# Altium PCB BEAGLEPLAYV020_220915.brd.PcbDoc (part 8 of 12) (continued)
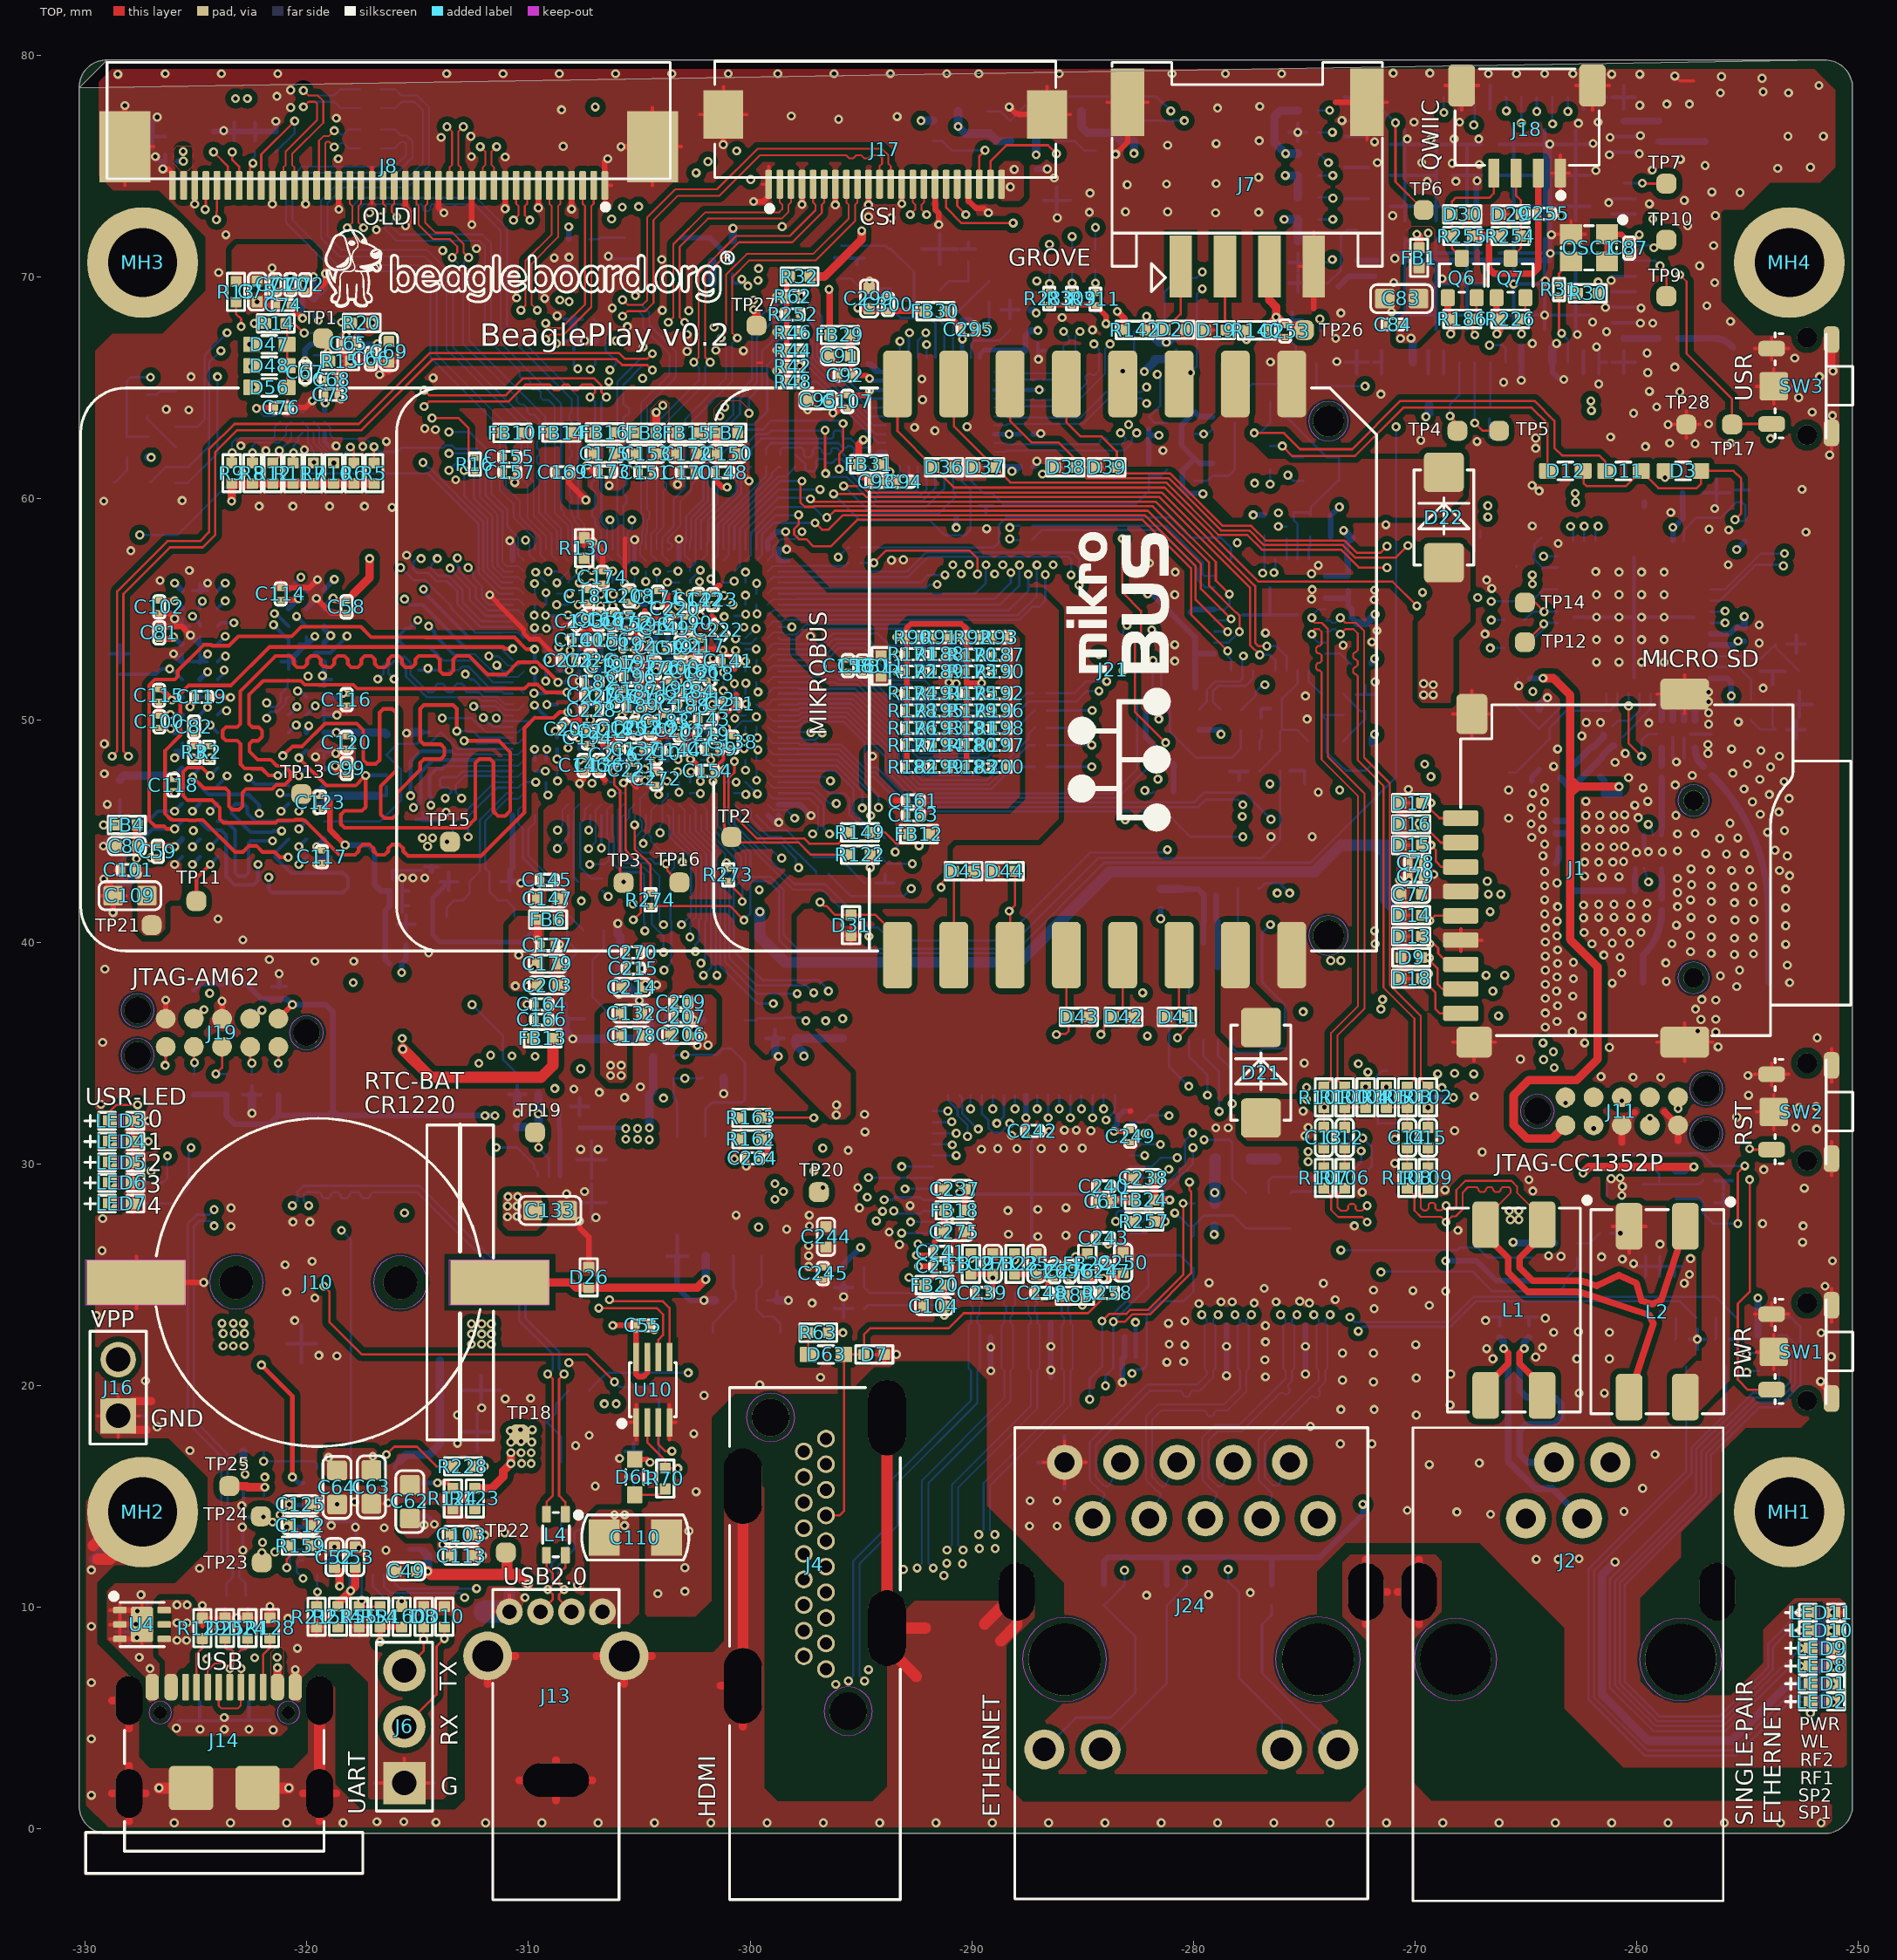
[diagram p0: TOP view]
## Nets (pads, with @x,y where several pads share a name; then routed paths per layer and width w, separated by ;. In a path a pad name is that pad's centre, name@x,y a point inside that pad or via, vN(x,y) a via of type N, cw(c..) or ccw(c..) an arc to the next point about the centre after c; other vN are vias at no path point) (continued)
N15957145: C27.2 C28.1 L8.1 L9.2 | length 2
  BOTTOM w0.305: L9.2@-263.665,44.907 C27.2@-262.968,44.907 C28.1@-262.968,44.221 L8.1@-262.968,43.561
N15957153: C25.2 C29.1 L8.2 | length 3
  BOTTOM w0.305: L8.2@-262.968,43.002 C29.1@-262.968,42.316 C25.2@-260.644,42.316
N15957165: L10.1 U9.6 | length 2.3
  BOTTOM w0.102: L10.1@-261.116,49.733 -260.861,49.987 -260.35,49.987 -259.877,50.46 U9.6@-259.877,51.205
N15957287: C32.1 U9.23 | length 2.3
  BOTTOM w0.102: C32.1@-264.314,58.235 -264.617,57.932 -264.617,57.252 -264.271,56.905 U9.23@-263.577,56.905
N15957295: C36.1 R118.2 U9.46 X4.3 | length 4.9
  BOTTOM w0.102: U9.46@-256.677,52.905 -254.98,52.905 R118.2@-254.849,52.775 -254.418,52.775 C36.1@-253.742,53.451 -253.742,53.292 X4.3@-252.679,52.229
N15957337: R118.1 R119.1 U9.47 | length 3
  BOTTOM w0.102: U9.47@-256.677,52.405 -255.405,52.405 R118.1@-254.849,51.85 R119.1@-254.849,50.927
N15957501: C30.1 L7.1 L10.2 L11.1 | length 2.2
  BOTTOM w0.305: L11.1@-263.048,47.801 C30.1@-262.52,48.328 -262.043,48.805 L7.1@-261.956,48.805 -261.511,49.25 L10.2@-261.511,49.338
N15957559: C28.2 L12.2 | length 0.7
  BOTTOM w0.305: L12.2@-263.665,43.561 ccw(c-263.998,43.894) -263.527,43.894 C28.2@-263.527,44.221
N15957739: C35.1 R119.2 X4.1 | length 2.5
  BOTTOM w0.102: R119.2@-254.849,50.002 -254.438,49.59 C35.1@-253.742,49.59 -253.879,49.727 X4.1@-253.879,50.729
N15961979: R120.2 TP12.1 U9.18 | length 3.3
  TOP w0.102: TP12.1@-265.054,53.531 -265.025,53.531 v5(-264.2,54.356) v5@-264.16,54.356
  BOTTOM w0.102: R120.2@-265.075,53.271 -264.2,54.146 v5(-264.2,54.356) -264.058,54.356 -264.009,54.405 U9.18@-263.577,54.405
N15962009: R121.2 TP14.1 U9.19 | length 2.7
  TOP w0.102: TP14.1@-265.054,55.323 -264.603,55.323 v5(-264.185,54.905)
  BOTTOM w0.102: R121.2@-265.076,54.53 -264.7,54.905 v5(-264.185,54.905) U9.19@-263.577,54.905
N15967993: B1.8 U9.2 | length 1.2
  BOTTOM w0.305: B1.8@-257.877,50.011 U9.2@-257.877,51.205
N15968005: B1.9 U9.1 | length 1.2
  BOTTOM w0.305: B1.9@-257.377,50.011 U9.1@-257.377,51.205
N15968666: B1.1 C45.1 | length 0.9
  BOTTOM w0.305: B1.1@-257.377,48.761 ccw(c-256.262,48.761) -257.05,47.972 C45.1@-257.005,47.927
N15969255: C45.2 D27.2 J12.1 | length 10
  BOTTOM w0.305: C45.2@-256.61,47.532 cw(c-262.774,41.367) -254.056,41.367 D27.2@-254.056,39.395 J12.1@-254.056,38.202
N15997187: L14.1 U17.2 U17.3
N15997222: R123.1 R124.1 U17.1 | length 3.4
  TOP w0.203: v5(-314.104,15.613) -313.652,15.613 R124.1@-313.411,15.372 -313.345,15.372 R123.1@-312.42,14.447
  BOTTOM w0.203: U17.1@-315.371,15.613 v5(-314.104,15.613)
N15997584: C52.1 U17.14 | length 1.5
  TOP w0.381: C52.1@-318.753,11.801 -318.522,11.569 v5(-318.522,10.953)
  BOTTOM w0.203: v5(-318.522,10.953) U17.14@-318.522,11.463
N15997644: L17.1 U17.27
N15998811: L16.1 U17.29
N16004890: R227.1 U1.B7 | length 3.7
  BOTTOM w0.081: -307.96,45.418 -307.96,45.97 U1.B7@-307.711,46.219
  BOTTOM w0.102: -307.96,45.418 -307.96,42.931 R227.1@-307.759,42.73
N16005116: C126.1 U1.C2 X5.1 | length 7.3
  BOTTOM w0.081: -310.947,46.449 -310.927,46.468 -310.462,46.468 U1.C2@-310.211,46.719
  BOTTOM w0.102: -310.947,46.449 -310.972,46.449 -311.963,45.458 -311.963,43.359 -311.764,43.16 C126.1@-311.764,42.732 -311.764,42.288 -311.359,41.883 -310.978,41.883 -310.642,41.547 X5.1@-310.642,41.166
N16005124: C127.1 U1.C1 X5.2 | length 7.2
  BOTTOM w0.102: X5.2@-313.69,41.166 -313.69,41.547 -313.354,41.883 -312.973,41.883 -312.671,42.185 C127.1@-312.671,42.724 -312.191,43.203 -312.191,45.519 -310.99,46.719 U1.C1@-310.711,46.719
N16005316: R274.1 U1.A12 | length 3.8
  TOP w0.102: v5(-305.211,45.293) -305.211,44.201 -304.495,43.485 R274.1@-304.495,42.189
  BOTTOM w0.102: v5(-305.211,45.293) U1.A12@-305.211,45.719
N16005478: R149.1 U1.E21 | length 9.1
  TOP w0.102: v5(-300.711,48.157) -300.711,47.65 -300.982,47.378 -300.982,45.964 -299.702,44.684 -297.566,44.684 -297.332,44.45 -296.016,44.45 R149.1@-295.509,44.957
  BOTTOM w0.102: U1.E21@-300.711,47.719 v5(-300.711,48.157)
N16025692: R131.1 U1.AE10 | length 9.9
  LYR3 w0.097: v1(-307.772,65.862) -308.229,65.405 -308.229,63.07 -305.994,60.836 -305.994,59.378 v1(-306.324,59.047)
  BOTTOM w0.081: v1(-306.324,59.047) -306.211,58.935 U1.AE10@-306.211,57.719
  BOTTOM w0.102: R131.1@-307.953,66.203 -307.953,65.993 -307.823,65.862 v1(-307.772,65.862)
N16025696: R130.1 U1.AC9 | length 1.1
  TOP w0.102: R130.1@-307.492,57.315 -307.144,56.967 v5(-307.144,56.764)
  BOTTOM w0.102: v5(-307.144,56.764) -307.1,56.719 U1.AC9@-306.711,56.719
N16034849: L18.1 U12.5
N16034871: R260.1 R261.1 U12.3 | length 3.2
  BOTTOM w0.203: R261.1@-308.621,32.588 R261.1@-308.621,32.588 R260.1@-308.62,31.623 -308.584,31.587 U12.3@-308.584,29.446
N16038113: C136.1 U1.G9 | length 0.5
  BOTTOM w0.203: v5(-306.754,48.262) -306.711,48.305 U1.G9@-306.711,48.719
N16038120: C137.1 U1.H11 | length 0.7
  TOP w0.203: v5(-305.638,48.735) -305.621,48.718 C137.1@-305.417,48.718
  BOTTOM w0.203: U1.H11@-305.711,49.22 -305.711,48.808 v5(-305.638,48.735)
N16038127: C138.1 U1.J19 | length 1.1
  TOP w0.254: v5(-301.066,49.654) -300.804,49.392 C138.1@-300.804,49.301
  BOTTOM w0.102: v5@-301.076,49.654 v5(-301.066,49.654)
  BOTTOM w0.254: U1.J19@-301.711,49.719 -301.684,49.693 -301.114,49.693 v5@-301.076,49.654
N16038134: C139.1 U1.H17 | length 1
  TOP w0.102: v5(-302.255,48.679) -302.216,48.718 C139.1@-301.988,48.718
  BOTTOM w0.102: U1.H17@-302.711,49.22 -302.711,49.135 v5(-302.255,48.679)
N16038141: C140.1 U1.U7 | length 0.7
  TOP w0.254: v5(-308.169,53.736) -308.053,53.62 C140.1@-307.983,53.62
  BOTTOM w0.254: v5(-308.169,53.736) -308.152,53.719 U1.U7@-307.711,53.719
N16038148: C141.1 U1.P19 | length 1.1
  TOP w0.203: v5(-301.676,52.799) -301.557,52.68 C141.1@-301.252,52.68
  BOTTOM w0.254: U1.P19@-301.711,52.219 -301.711,52.764 v5(-301.676,52.799)
N16038155: C142.1 U1.W17 | length 0.8
  TOP w0.203: v5(-302.711,55.143) -302.684,55.143 -302.649,55.179 C142.1@-302.345,55.179
  BOTTOM w0.203: U1.W17@-302.711,54.719 v5(-302.711,55.143)
N16038162: C143.1 U1.K18 | length 1.1
  TOP w0.203: v5(-302.666,49.802) -302.429,50.039 C143.1@-302.293,50.039
  BOTTOM w0.203: v5(-302.666,49.802) -302.249,50.219 U1.K18@-302.211,50.219
N16038169: C144.1 U1.H15 | length 0.5
  BOTTOM w0.203: U1.H15@-303.711,49.22 -303.711,48.916 -303.657,48.862 -303.657,48.805 v5(-303.647,48.795)
N16100484: R273.1 U1.A18 | length 2.9
  TOP w0.102: v5(-301.066,43.586) -300.991,43.511 R273.1@-300.991,43.322
  BOTTOM w0.081: U1.A18@-302.211,45.719 -302.211,45.054 -301.12,43.962 v5@-301.12,43.64
  BOTTOM w0.102: v5@-301.12,43.64 v5(-301.066,43.586)
N16120392: R145.2 U1.AC24 | length 3.8
  BOTTOM w0.081: U1.AC24@-299.211,56.719 -298.962,56.968 -297.786,56.968
  BOTTOM w0.102: -297.786,56.968 -295.719,56.968 R145.2@-295.574,57.113
N16127002: C247.1 C250.1 FB22.1 U7.18 | length 2.5
  TOP w0.254: FB22.1@-284.792,25.03 -284.597,24.836 v5(-284.055,24.836) -284.038,24.836 C247.1@-283.991,24.883 -283.376,24.883 C250.1@-283.178,25.081
  BOTTOM w0.254: U7.18@-284.055,24.181 v5(-284.055,24.836)
N16127031: C248.1 C252.1 C269.1 FB23.1 U7.23 | length 3.2
  TOP w0.254: FB23.1@-288.07,25.03 C252.1@-287.093,25.03 -286.903,24.841 v5(-286.563,24.841) ; C248.1@-286.554,24.182 -286.563,24.191 v5(-286.563,24.841) ; C269.1@-286.267,24.858 -286.546,24.858 v5(-286.563,24.841)
  BOTTOM w0.254: v5(-286.563,24.841) -286.555,24.834 U7.23@-286.555,24.181
N16127607: C249.1 C251.1 FB20.1 U7.1 U7.34 | length 4.6
  TOP w0.254: v1(-292.41,25.381) -292.402,25.373 C251.1@-291.676,25.373 -291.676,25.002 FB20.1@-292.139,24.539 ; v1(-283.591,31.471) -282.904,31.471 C249.1@-282.846,31.529
  BOTTOM w0.254: v1(-292.41,25.381) U7.34@-291.755,25.381 ; v1(-283.591,31.471) -283.591,31.623 -283.459,31.755 -283.459,32.082 -283.16,32.381 U7.1@-282.855,32.381
N16129080: C239.1 C271.1 FB19.1 U7.28 | length 2.5
  TOP w0.254: FB19.1@-290.038,25.03 -289.222,25.03 v5(-289.055,24.863) -289.055,24.377 C239.1@-289.247,24.186
  BOTTOM w0.254: U7.28@-289.055,24.181 v5(-289.055,24.863)
N16149634: C234.1 R67.2 U11.4 | length 2.6
  BOTTOM w0.102: U11.4@-278.248,39.979 -278.248,40.395 -278.001,40.642 C234.1@-278.001,41.487 -278.001,42.002 -277.999,42.004 R67.2@-277.999,42.432
N16149646: C235.1 R68.1 U11.5 | length 2.9
  BOTTOM w0.102: U11.5@-278.248,35.579 -278.248,35.221 -278.054,35.027 -277.083,35.027 C235.1@-276.895,35.215 R68.1@-275.881,35.215
N16164784: C256.2 D73.2 J3.1 | length 2.1
  BOTTOM w0.305: C256.2@-259.004,76.118 D73.2@-258.064,76.118 -256.935,76.118 ccw(c-256.935,76.137) J3.1@-256.921,76.124
N16165479: C257.2 D74.2 J5.1 | length 2.6
  BOTTOM w0.305: C257.2@-258.109,67.234 -257.206,67.234 D74.2@-257.2,67.239 -256.505,67.239 cw(c-256.505,66.232) -255.793,66.944 J5.1@-255.676,66.828
N16172168: D61.2 R70.1 | length 1.5
  TOP w0.102: D61.2@-305.206,15.075 -304.098,15.075 R70.1@-303.831,15.341
N16177059: R15.1 TP1.1 U3.H5 | length 1.9
  TOP w0.102: TP1.1@-319.266,67.237 -319.266,66.833 v5(-319.049,66.617) -318.956,66.523 R15.1@-318.956,66.207
  BOTTOM w0.102: U3.H5@-319.693,66.475 -319.191,66.475 v5(-319.049,66.617)
N16199587: Q3.1 R166.2 | length 1
  BOTTOM w0.102: Q3.1@-258.276,22.09 -258.238,22.128 R166.2@-258.238,23.053
N16199595: LED1.2 Q4.3 | length 30.4
  TOP w0.102: v5(-251.184,6.55) LED1.2@-251.149,6.55
  BOTTOM w0.102: Q4.3@-255.967,20.85 -255.967,18.768 -257.531,17.204 -257.531,16.036 -261.933,11.633 -261.933,5.944 -259.537,3.547 -255.651,3.547 -253.23,5.969 -251.765,5.969 v5(-251.184,6.55)
N16199659: Q4.1 R167.2 | length 1
  BOTTOM w0.102: Q4.1@-256.467,22.09 -256.43,22.128 R167.2@-256.43,23.053
N16200287: LED2.2 Q3.3 | length 29.9
  TOP w0.102: v5(-251.149,5.721) LED2.2@-251.149,5.746
  BOTTOM w0.102: Q3.3@-257.776,20.85 -257.776,16.138 -262.179,11.735 -262.179,5.842 -259.639,3.302 -255.549,3.302 -253.13,5.721 v5(-251.149,5.721)
N16213182: C128.1 U1.B2 X6.3 | length 9.3
  BOTTOM w0.081: -310.236,45.103 -310.46,45.327 -310.46,45.97 U1.B2@-310.211,46.219
  BOTTOM w0.102: -310.236,45.103 -310.236,43.79 -308.61,42.164 -308.61,41.267 -308.254,40.912 -308.254,40.057 C128.1@-307.772,39.574 -307.772,39.566 -308.311,39.027 X6.3@-308.311,38.397
N16213274: R127.1 U1.A3 | length 6.3
  BOTTOM w0.102: U1.A3@-309.711,45.719 -309.711,45.399 -310.007,45.103 -310.007,43.891 -308.407,42.291 -308.407,41.42 R127.1@-307.521,40.534
N16213278: C129.1 R127.2 X6.1 | length 4.7
  BOTTOM w0.102: R127.2@-306.596,40.534 -306.596,39.741 C129.1@-306.78,39.557 -306.78,39.541 -307.111,39.21 -307.111,37.521 -306.138,36.547 X6.1@-306.011,36.547
N16222390: Q5.3 Q12.1 U22.1 | length 6
  TOP w0.381: v5(-262.433,29.591) -262.153,29.87 v5(-257.429,29.87)
  BOTTOM w0.381: Q12.1@-258.242,29.72 -257.859,29.72 -257.708,29.87 v5(-257.429,29.87)
N16646883: R94.2 R132.1 U1.AC11 | length 13.8
  LYR3 w0.097: v1(-306.324,65.811) -306.664,65.811 -307.619,64.856 -307.619,63.035 -305.537,60.952 -305.537,59.276 -305.333,59.073 v1(-305.333,59.047)
  BOTTOM w0.081: U1.AC11@-305.711,56.719 -305.711,56.861 -305.461,57.112 -305.461,57.944 -305.537,58.019 -305.537,58.463 -305.333,58.666
  BOTTOM w0.102: R94.2@-307.055,68.097 -306.527,67.569 -306.527,66.682 R132.1@-306.048,66.203 -306.048,66.087 v1(-306.324,65.811) ; -305.333,58.666 v1(-305.333,59.047)
N16650018: C131.1 R133.2 U8.1 | length 3.9
  BOTTOM w0.102: U8.1@-308.531,16.557 -308.531,17.699 C131.1@-309.172,18.34 -308.762,18.75 -308.762,19.174 R133.2@-308.178,19.758
N16757495: C204.1 FL2.2 U16.1
N16757655: R210.2 U16.3 | length 1.6
  BOTTOM w0.102: R210.2@-307.257,71.7 -306.829,71.7 -306.752,71.777 U16.3@-305.66,71.777
N16761119: J17.18 R135.2 | length 33.5
  TOP w0.102: J17.18@-290.661,74.187 -290.661,73.212 v1(-290.271,72.822)
  LYR3 w0.097: v1(-290.271,72.822) -290.088,72.639 -290.088,70.25 -287.96,68.122 -287.96,64.58 -288.71,63.83 -288.71,60.465 -288.138,59.893 -286.921,59.893 -284.683,57.655 -284.683,57.653 -283.754,56.724 -283.754,53.784 -283.52,53.55 -283.52,53.169 -282.778,52.428 -282.778,50.516 -282.55,50.287 -282.55,46.457 -282.118,46.025 v1(-282.118,45.517)
N16761165: R153.1 U1.AA14 | length 12.8
  LYR3 w0.097: v1(-307.213,65.837) -307.924,65.126 -307.924,63.046 -305.796,60.918 -305.796,56.766 -304.754,55.725 v1(-304.754,55.696)
  BOTTOM w0.102: v1(-307.213,65.837) -306.988,66.062 R153.1@-306.988,66.203 ; v1(-304.754,55.696) -304.738,55.712 -304.734,55.712 -304.727,55.719 U1.AA14@-304.211,55.719
N16786907: R247.1 U1.L23 | length 14.9
  BOTTOM w0.081: U1.L23@-299.695,50.704 -299.461,50.47 -298.171,50.47
  BOTTOM w0.102: U1.L23@-299.711,50.719 U1.L23@-299.695,50.704 ; -298.171,50.47 -297.836,50.47 -297.743,50.562 -295.534,50.562 -293.488,48.517 -293.488,47.951 -292.451,46.914 -289.12,46.914 -288.12,47.914 R247.1@-287.172,47.914
N16786926: R69.1 U1.M24 | length 14.5
  BOTTOM w0.081: U1.M24@-299.211,51.22 -298.962,51.469 -297.823,51.469
  BOTTOM w0.102: -297.823,51.469 -297.79,51.435 -295.257,51.435 -292.676,48.854 -292.676,48.57 -292.413,48.307 -289.652,48.307 -289.648,48.311 -289.313,48.311 R69.1@-287.172,50.451
N16786954: R71.1 U1.U23 | length 20.1
  LAY6 w0.097: -297.104,53.418 -296.924,53.418 -296.191,54.152 -284.075,54.152 -283.93,54.296 v3(-283.004,54.296)
  LAY6 w0.102: v3(-300.657,53.685) -299.718,53.685 -299.451,53.418 -297.104,53.418
  BOTTOM w0.081: v3(-300.657,53.685) -300.657,53.65 -300.575,53.569 -300.482,53.569 -300.384,53.471 -299.96,53.471 U1.U23@-299.711,53.719
  BOTTOM w0.102: R71.1@-283.17,53.594 -283.17,54.08 -283.058,54.193 -283.058,54.243 v3(-283.004,54.296)
N16786975: R72.1 U1.L25 | length 14.1
  BOTTOM w0.102: U1.L25@-298.711,50.719 -297.845,50.719 -297.799,50.765 -295.449,50.765 -293.285,48.601 -293.285,48.035 -292.367,47.117 -289.204,47.117 -287.43,48.891 R72.1@-287.172,48.891
N16788057: D66.2 R184.2 | length 1.4
  BOTTOM w0.102: D66.2@-328.665,60.758 -328.634,60.758 -328.106,61.286 R184.2@-328.106,61.867
N16788120: D23.2 R185.2 | length 2
  BOTTOM w0.102: R185.2@-327.199,63.725 -327.199,63.599 -325.917,62.316 D23.2@-325.899,62.316
N16791385: R245.1 U1.L24 | length 15.1
  BOTTOM w0.081: U1.L24@-299.211,50.719 -298.962,50.968 -297.729,50.968
  BOTTOM w0.102: -297.729,50.968 -295.365,50.968 -293.082,48.685 -293.082,48.12 -292.282,47.32 -289.306,47.32 -287.452,49.174 -287.452,49.384 R245.1@-287.172,49.664
N16791404: R246.1 U1.P25 | length 12.9
  BOTTOM w0.102: U1.P25@-298.711,52.219 -296.093,52.219 -295.918,52.045 -295.004,52.045 -293.023,50.063 -288.696,50.063 -287.537,51.223 R246.1@-287.223,51.223
N16822608: R217.1 U1.B8 | length 4.2
  BOTTOM w0.081: -307.462,45.565 -307.462,45.968 U1.B8@-307.211,46.219
  BOTTOM w0.102: -307.462,45.565 -307.67,45.357 -307.67,43.383 -307.158,42.871 R217.1@-306.676,42.871
N16846143: C267.1 C268.1 FB21.2 J8.39 | length 0.3
  BOTTOM w0.254: C267.1@-325.831,75.227 v5(-325.57,75.227)
  other v5: -325.577,75.667
N16854428: R244.2 U1.C13 | length 5.6
  BOTTOM w0.081: U1.C13@-304.711,46.719 -304.962,46.469 -304.962,45.529 -304.886,45.453 -304.886,45.025 -305.171,44.74 -305.171,44.339 -304.878,44.046 -304.265,44.046 -304.127,43.908 -303.983,43.908 -303.981,43.906 -303.575,43.906 -303.428,43.759 -303.428,43.356 -303.601,43.184
  BOTTOM w0.102: R244.2@-303.601,42.866 -303.601,43.184
N16855227: LED3.1 R201.2 | length 49.1
  TOP w0.102: LED3.1@-328.884,31.942 -328.884,32.374 -328.593,32.664 v3(-327.635,32.664)
  LYR3 w0.097: v10(-296.723,30.709) -296.723,31.598 -296.575,31.745 -296.575,33.019 -294.409,35.186 -294.409,37.431 -293.459,38.381 v1(-293.459,44.069)
  LAY6 w0.097: v3(-327.635,32.664) -326.695,32.664 -325.236,31.205 -306.465,31.205 -305.968,30.709 v10(-296.723,30.709)
  BOTTOM w0.097: v1(-293.459,44.069) -293.459,44.234 -293.009,44.684 R201.2@-293.009,44.703
N16855229: LED4.1 R202.2 | length 0
  BOTTOM w0.102: v5(-328.85,31.01) R202.2@-328.835,31.01
N16855231: LED5.1 R203.2 | length 0
  BOTTOM w0.102: v5(-328.876,30.07) R203.2@-328.836,30.07
N16855233: LED6.1 R204.2 | length 0
  BOTTOM w0.102: v5(-328.84,29.148) R204.2@-328.811,29.148
N16855235: LED7.1 R205.2 | length 0.1
  BOTTOM w0.102: v5(-328.865,28.208) R205.2@-328.812,28.208
N16855237: LED8.1 R206.2 | length 29
  TOP w0.102: v5(-252.616,7.353) LED8.1@-252.165,7.353
  BOTTOM w0.102: R206.2@-253.594,20.663 -253.594,19.99 -253.898,19.685 -254.762,19.685 -257.327,17.12 -257.327,15.164 -261.222,11.269 -261.222,6.384 -259.249,4.411 -256.015,4.411 -253.073,7.353 v5(-252.616,7.353)
N16855239: LED9.1 R236.2 | length 30.2
  TOP w0.102: v5(-252.628,8.157) LED9.1@-252.165,8.157
  BOTTOM w0.102: R236.2@-253.619,21.467 -253.369,21.467 -253.06,21.158 -253.06,20.193 -253.802,19.452 -254.665,19.452 -257.094,17.023 -257.094,15.067 -260.989,11.172 -260.989,6.481 -259.153,4.644 -256.112,4.644 -252.628,8.128 v5(-252.628,8.157)
N16855241: LED10.1 R237.2 | length 31.6
  TOP w0.102: v5(-252.623,8.961) LED10.1@-252.165,8.961
  BOTTOM w0.102: R237.2@-253.619,22.27 -253.258,22.27 -252.857,21.869 -252.857,20.091 -253.712,19.236 -254.576,19.236 -256.879,16.933 -256.879,14.978 -260.773,11.083 -260.773,6.57 -259.063,4.86 -256.201,4.86 -253.873,7.188 -253.873,8.204 -253.117,8.961 v5(-252.623,8.961)
N16855243: LED11.1 R238.2 | length 32.6
  TOP w0.102: v5(-252.669,9.764) LED11.1@-252.165,9.764
  BOTTOM w0.102: R238.2@-253.619,23.074 -253.045,23.074 -252.628,22.657 -252.628,20.015 -253.623,19.021 -254.486,19.021 -256.663,16.844 -256.663,14.888 -260.558,10.994 -260.558,6.659 -258.974,5.075 -256.291,5.075 -254.076,7.29 -254.076,8.357 v5(-252.669,9.764)
N16855367: LED10.2 Q10.3 | length 104
  LYR3 w0.097: v10(-259.283,72.619) -258.47,71.806 -258.47,69.066 -253.467,64.062 -253.467,58.395 -251.104,56.032 -251.104,26.467 -253.238,24.333 -253.238,21.438 -258.216,16.459 -258.216,12.446 -260.452,10.211 -260.452,6.071 -259.207,4.826 -253.213,4.826 -252.146,5.893 -252.146,8.001 v1(-251.206,8.941)
  LAY6 w0.097: v3(-274.302,68.105) -274.302,68.141 -270.993,71.45 -263.779,71.45 -262.636,72.593 -259.309,72.593 v10(-259.283,72.619)
  BOTTOM w0.102: Q10.3@-274.302,67.564 v3(-274.302,68.105)
N16855418: Q10.1 R239.2 | length 1
  BOTTOM w0.102: Q10.1@-275.542,67.064 -275.392,66.914 R239.2@-275.392,66.091
N16856006: C261.1 U18.1 X7.2 | length 4.2
  BOTTOM w0.102: U18.1@-299.483,25.846 -299.483,24.505 -299.713,24.275 C261.1@-299.713,23.847 -299.713,23.419 -299.418,23.124 -298.975,23.124 -298.639,22.788 X7.2@-298.639,22.407
N16856066: R162.2 R163.2 U18.7 | length 3
  TOP w0.102: v5(-300.711,30.226) -300.711,30.404 -300.411,30.703 R162.2@-300.411,31.115 R163.2@-300.411,32.08
  BOTTOM w0.102: U18.7@-300.753,31.246 -300.753,30.268 v5(-300.711,30.226)
N16856127: C265.1 U18.2 X7.1 | length 3.9
  BOTTOM w0.102: X7.1@-301.687,22.407 -301.687,22.788 -301.351,23.124 -301.351,23.161 C265.1@-300.665,23.847 -300.665,24.275 -300.753,24.363 U18.2@-300.753,25.846
N16856194: D26.2 J10.2 U18.3 | length 10.6
  TOP w0.381: J10.2@-311.285,24.653 -308.08,24.653 -307.848,24.421 D26.2@-307.281,24.421 -302.375,24.421 v5(-302.006,24.79)
  BOTTOM w0.381: U18.3@-302.023,25.846 -302.006,25.829 v5(-302.006,24.79)
N16966182: R251.1 U1.A23 | length 6.1
  BOTTOM w0.102: U1.A23@-299.711,45.719 -299.044,45.052 -298.348,45.052 -297.137,43.84 -296.009,43.84 R251.1@-294.841,42.672
N17041478: D49.2 R53.2 | length 1.4
  BOTTOM w0.102: R53.2@-327.199,64.699 -326.772,64.699 -326.618,64.852 D49.2@-325.899,64.852
N17059577: Q5.1 Q12.3 R59.1 | length 12.8
  TOP w0.102: v5(-255.448,27.305) -255.448,29.59 v5(-255.13,29.908)
  BOTTOM w0.102: Q5.1@-261.341,30.33 -261.19,30.48 -257.124,30.48 -256.552,29.908 v5(-255.13,29.908) ; Q12.3@-258.242,28.42 -257.192,28.42 R59.1@-257.021,28.25 -257.021,27.786 -256.54,27.305 v5(-255.448,27.305)
N17059597: Q12.2 Q12.5 Q12.6 R56.1 | length 4.1
  BOTTOM w0.102: Q12.5@-259.742,29.07 -259.004,29.07 ; Q12.6@-259.742,29.72 -259.158,29.72 -259.004,29.566 -259.004,29.07 ; R56.1@-257.021,29.248 -257.199,29.07 Q12.2@-258.242,29.07 -259.004,29.07
N17096912: D50.1 D51.1 R60.2 U21.3 | length 3.8
  BOTTOM w0.102: U21.3@-271.276,34.191 -271.498,34.191 -271.704,33.985 D50.1@-271.704,32.765 -271.69,32.751 D51.1@-271.69,31.8 -271.655,31.835 R60.2@-270.617,31.835
N17226364: R256.1 U7.31 | length 4.7
  BOTTOM w0.102: R256.1@-294.857,23.47 -294.705,23.622 -290.855,23.622 -290.555,23.922 U7.31@-290.555,24.181
N17226817: D55.2 F1.1 | length 1.1
  BOTTOM w0.508: F1.1@-277.404,30.226 -277.398,30.22 D55.2@-276.283,30.22
N17232817: C61.1 C243.1 C276.1 FB24.1 U7.9 U7.13 U7.19 | length 4.6
  TOP w0.102: C61.1@-283.725,28.374 -283.718,28.381 v1(-283.556,28.381)
  TOP w0.254: v1(-283.855,26.381) -283.782,26.454 C243.1@-283.782,26.658
  TOP w0.381: C61.1@-283.791,28.308 -283.725,28.374 FB24.1@-282.708,28.374
  BOTTOM w0.254: v1(-285.445,24.836) -285.425,24.816 -284.885,24.816 -284.555,24.486 U7.19@-284.555,24.181 ; v1(-283.855,26.381) U7.13@-282.855,26.381 ; v1(-283.556,28.381) U7.9@-282.855,28.381
N17283785: D22.2 J21.2
N17295692: J24.14 R34.2 | length 8.1
  BOTTOM w0.102: R34.2@-276.475,10.092 -276.475,9.664 -276.911,9.229 -276.911,7.031 J24.14@-273.471,3.591
N17295713: J24.13 R165.2 | length 85.1
  LYR3 w0.097: v1(-284.427,72.236) -284.072,72.236 -280.874,69.038 -277.799,69.038 -273.581,64.821 -273.355,64.821 -272.252,63.718 -272.252,53.748 -272.311,53.69 -272.311,53.397 -272.212,53.298 -272.212,48.387 -272.517,48.082 -272.517,41.732 -272.212,41.427 -272.212,39.675 -270.198,37.661 -270.198,32.647 -271.389,31.455 -271.389,29.835 -270.769,29.215 -270.769,17.012 -272.903,14.878 -272.903,13.584 -274.31,12.177 -277.967,12.177 v1(-278.438,11.706)
  BOTTOM w0.102: R165.2@-284.427,71.243 v1(-284.427,72.236) ; v1(-278.438,11.706) -278.438,11.174 -277.938,10.674 -277.938,6.793 -276.011,4.866 J24.13@-276.011,3.591
N17295734: J24.11 R35.2 R39.2 | length 92
  LYR3 w0.097: v1(-286.499,71.476) -284.302,71.476 -281.356,68.529 -278.13,68.529 -275.717,66.116 -275.717,63.73 -272.649,60.661 -272.649,53.913 -272.847,53.714 -272.847,48.489 -272.999,48.336 -272.999,41.554 -272.649,41.204 -272.649,39.451 -270.594,37.396 -270.594,32.936 -271.785,31.745 -271.785,29.596 -271.165,28.976 -271.165,17.176 -273.299,15.043 -273.299,13.749 -274.474,12.573 -282.214,12.573 v1(-283.118,11.669)
  BOTTOM w0.102: J24.11@-286.73,3.591 -285.292,5.029 -283.743,5.029 -282.618,6.154 -282.618,8.67 R39.2@-284.041,10.092 -283.118,11.014 v1(-283.118,11.669) ; R35.2@-286.499,71.243 v1(-286.499,71.476)
N17295760: J24.12 R40.2 R164.2 | length 87.3
  LYR3 w0.097: v1(-285.474,71.829) -284.201,71.829 -281.13,68.758 -277.799,68.758 -272.451,63.41 -272.451,53.83 -272.593,53.688 -272.593,48.362 -272.745,48.209 -272.745,41.631 -272.415,41.3 -272.415,39.548 -270.396,37.529 -270.396,32.753 -271.587,31.562 -271.587,29.728 -270.967,29.108 -270.967,17.094 -273.101,14.961 -273.101,13.666 -274.392,12.375 -279.632,12.375 v1(-280.306,11.701)
  BOTTOM w0.102: R40.2@-285.474,71.243 v1(-285.474,71.829) ; J24.12@-284.19,3.591 -281.2,6.581 R164.2@-281.2,10.092 -280.306,10.986 v1(-280.306,11.701)
N17297363: C89.1 R248.1 Y2.3 | length 2.3
  BOTTOM w0.102: Y2.3@-291.442,69.416 -291.038,69.82 R248.1@-290.158,69.82 C89.1@-290.158,70.705
N17316096: D32.1 D33.1 D54.1 Q13.2 R36.2 | length 4.1
  BOTTOM w0.102: Q13.2@-279.952,60.815 -279.363,60.815 R36.2@-279.142,61.036 -278.426,61.036 D32.1@-278.147,61.316 D54.1@-278.147,62.379 D33.1@-278.147,63.424
N17355379: L15.4 R219.1 U1.AE3 | length 31.1
  BOTTOM w0.081: -310.674,59.365 -310.674,59.345 -310.672,59.343 -310.672,59.161 -309.711,58.2 U1.AE3@-309.711,57.719
  BOTTOM w0.084: R219.1@-316.672,75.808 L15.4@-316.21,75.808 -316.038,75.808 -315.756,76.09 -315.603,76.09 -315.519,76.006 -315.519,75.514 -316.044,74.988 -320.21,74.988 -320.937,74.262 -320.937,72.449 -318.744,70.256 -315.112,70.256 -314.427,69.571 -314.427,66.37 -311.302,63.246 -311.302,60.401 -310.674,59.773 -310.674,59.365
N17355388: L15.1 R225.1 U1.AD4 | length 32.1
  BOTTOM w0.081: -310.387,59.365 -310.387,59.345 -310.388,59.343 -310.388,59.182 -309.46,58.254 -309.46,57.469 U1.AD4@-309.211,57.22
  BOTTOM w0.084: R225.1@-316.672,76.658 L15.1@-316.21,76.658 -316.028,76.658 -315.746,76.377 -315.483,76.377 -315.232,76.125 -315.232,75.395 -315.925,74.701 -320.091,74.701 -320.65,74.143 -320.65,72.568 -318.625,70.543 -314.993,70.543 -314.14,69.69 -314.14,66.489 -311.015,63.365 -311.015,60.52 -310.387,59.892 -310.387,59.365
N17355497: L20.1 R264.1 U1.AD5 | length 33.1
  BOTTOM w0.081: -314.806,71.222 -314.787,71.222 -314.785,71.22 -314.687,71.22 -314.686,71.219 -314.576,71.219 -313.403,70.046 -313.403,66.846 -310.032,63.475 -310.032,61.036 -309.755,60.759 -309.755,59.745 ; -309.754,59.744 -309.754,59.209 -308.96,58.414 -308.96,57.469 U1.AD5@-308.711,57.22
  BOTTOM w0.084: R264.1@-316.668,78.472 L20.1@-316.206,78.472 -316.012,78.472 -315.731,78.19 -315.02,78.19 -314.477,77.648 -314.477,75.032 -315.476,74.033 -318.371,74.033 -319.067,73.338 -319.067,71.874 -318.415,71.222 -314.806,71.222
N17355524: L20.4 R265.1 U1.AE4 | length 32
  BOTTOM w0.081: -314.806,70.935 -314.694,70.935 -313.688,69.928 -313.688,66.728 -310.317,63.357 -310.317,60.918 -310.04,60.641 -310.04,59.139 -309.211,58.31 U1.AE4@-309.211,57.719
  BOTTOM w0.084: R265.1@-316.668,77.622 L20.4@-316.206,77.622 -316.002,77.622 -315.721,77.903 -315.139,77.903 -314.764,77.528 -314.764,75.151 -315.595,74.32 -318.491,74.32 -319.354,73.457 -319.354,71.755 -318.534,70.935 -314.806,70.935
N17416044: R276.1 U22.2 | length 1.2
  BOTTOM w0.102: U22.2@-262.703,26.43 -262.119,26.43 R276.1@-261.676,26.873
OLDI0_A0_N: J8.3 U1.AA5 | length 21.7
  TOP w0.084: v3(-309.224,67.916) -309.003,67.696 -308.521,67.696 -307.45,68.767 -307.45,73.206 -307.556,73.312 J8.3@-307.556,74.131
  LAY6 w0.076: v3(-309.224,67.916) -308.991,67.683 -308.395,67.683 -308.132,67.42 -308.132,58.015 -308,57.883 -308,57.731 -308.077,57.655 -308.14,57.655 -308.217,57.578 -308.217,57.426 -308.14,57.35 -308.077,57.35 -308,57.274 -308,57.121 -308.077,57.045 -308.14,57.045 -308.217,56.969 -308.217,56.123 -308.153,56.059 v3(-308.153,55.719)
  BOTTOM w0.084: U1.AA5@-308.711,55.719 v3(-308.153,55.719)
OLDI0_A0_P: J8.2 U1.Y6 | length 21.9
  TOP w0.084: v3(-309.224,67.189) -309.004,67.409 -308.402,67.409 -307.163,68.648 -307.163,73.206 -307.056,73.312 J8.2@-307.056,74.131
  LAY6 w0.076: v3(-309.224,67.189) -308.991,67.422 -308.504,67.422 -308.394,67.312 -308.394,56.037 -308.729,55.702 v3(-308.729,55.22)
  BOTTOM w0.084: v3(-308.729,55.22) U1.Y6@-308.211,55.22
OLDI0_A1_N: J8.6 U1.AD3 | length 19.4
  TOP w0.084: v3(-310.341,68.507) -310.142,68.706 -310.142,70.731 -308.95,71.923 -308.95,73.206 -309.056,73.312 J8.6@-309.056,74.131
  LAY6 w0.076: v3(-310.341,68.507) -310.116,68.282 -310.116,59.803 -309.786,59.472 -309.786,59.142 -309.677,59.033 -309.677,57.599 -309.731,57.544 -309.855,57.505 -309.951,57.555 v3(-310.134,58.133)
  BOTTOM w0.081: v3(-310.134,58.133) -309.96,57.959 -309.96,57.469 U1.AD3@-309.711,57.22
OLDI0_A1_P: J8.5 U1.AB4 | length 19.4
  TOP w0.084: v3(-309.604,68.507) -309.855,68.757 -309.855,70.612 -308.663,71.804 -308.663,73.206 -308.556,73.312 J8.5@-308.556,74.131
  LAY6 w0.076: v3(-309.677,56.685) -309.872,56.685 -309.982,56.794 -309.982,57.047 -309.499,57.53 -309.499,59.555 -309.855,59.911 -309.855,68.257 v3(-309.604,68.507)
  BOTTOM w0.081: v3(-309.677,56.685) U1.AB4@-309.211,56.219
OLDI0_A2_N: J8.9 U1.Y8 | length 22.5
  TOP w0.084: v1(-310.675,72.567) -310.45,72.791 -310.45,73.206 -310.556,73.312 J8.9@-310.556,74.131
  LYR3 w0.076: v1(-310.675,72.567) -310.437,72.329 -310.437,70.577 -311.48,69.534 -311.48,64.494 -307.048,60.061 -307.048,58.755 -306.781,58.488 -306.781,56.126 -307.463,55.444 -307.529,55.444 v1(-307.754,55.22)
  BOTTOM w0.084: v1(-307.754,55.22) U1.Y8@-307.211,55.22
OLDI0_A2_P: J8.8 U1.AA8 | length 22.4
  TOP w0.084: J8.8@-310.056,74.131 -310.056,73.312 -310.163,73.206 -310.163,72.791 v1(-309.938,72.567)
  LYR3 w0.076: v1(-309.938,72.567) -310.175,72.329 -310.175,70.469 -311.219,69.426 -311.219,64.602 -306.786,60.17 -306.786,58.849 -306.506,58.569 -306.506,57.582 -306.353,57.429 -306.353,57.277 -306.506,57.125 -306.506,56.49 -306.353,56.337 -306.175,56.337 -306.098,56.261 -306.098,56.131 -306.153,56.077 -306.534,56.077 -306.603,56.007 -306.603,55.822 v1(-306.73,55.695)
  BOTTOM w0.084: U1.AA8@-307.211,55.719 -306.755,55.719 v1(-306.73,55.695)

## Text inside footprints (layer, text, board x,y; h text height)
U2: PIN_NUMBER "B3" at -320.92,55.053 h0.13 r180; PIN_NUMBER "R1" at -319.32,44.652 h0.13 r180; PIN_NUMBER "F8" at -324.921,51.853 h0.13 r180; PIN_NUMBER "A9" at -325.721,55.853 h0.13 r180; PIN_NUMBER "B9" at -325.721,55.053 h0.13 r180; PIN_NUMBER "D9" at -325.721,53.453 h0.13 r180; PIN_NUMBER "L9" at -325.721,47.852 h0.13 r180; PIN_NUMBER "G9" at -325.721,51.053 h0.13 r180; PIN_NUMBER "J9" at -325.721,49.453 h0.13 r180; PIN_NUMBER "G7" at -324.121,51.053 h0.13 r180; PIN_NUMBER "J8" at -324.921,49.453 h0.13 r180; PIN_NUMBER "L1" at -319.32,47.852 h0.13 r180; PIN_NUMBER "J2" at -320.12,49.453 h0.13 r180; PIN_NUMBER "J1" at -319.32,49.453 h0.13 r180; PIN_NUMBER "F2" at -320.12,51.853 h0.13 r180; PIN_NUMBER "C1" at -319.32,54.253 h0.13 r180; PIN_NUMBER "D1" at -319.32,53.453 h0.13 r180; PIN_NUMBER "A1" at -319.32,55.853 h0.13 r180; PIN_NUMBER "T9" at -325.721,43.852 h0.13 r180; PIN_NUMBER "G1" at -319.32,51.053 h0.13 r180; PIN_NUMBER "T3" at -320.92,43.852 h0.13 r180; PIN_NUMBER "N8" at -324.921,46.252 h0.13 r180; PIN_NUMBER "N9" at -325.721,46.252 h0.13 r180; PIN_NUMBER "B7" at -324.121,55.053 h0.13 r180; PIN_NUMBER "N2" at -320.12,46.252 h0.13 r180; PIN_NUMBER "L2" at -320.12,47.852 h0.13 r180; PIN_NUMBER "N3" at -320.92,46.252 h0.13 r180; PIN_NUMBER "M1" at -319.32,47.052 h0.13 r180; PIN_NUMBER "C2" at -320.12,54.253 h0.13 r180; PIN_NUMBER "H8" at -324.921,50.253 h0.13 r180; PIN_NUMBER "L8" at -324.921,47.852 h0.13 r180; PIN_NUMBER "N7" at -324.121,46.252 h0.13 r180; PIN_NUMBER "D7" at -324.121,53.453 h0.13 r180; PIN_NUMBER "R3" at -320.92,44.652 h0.13 r180; PIN_NUMBER "P8" at -324.921,45.452 h0.13 r180; PIN_NUMBER "F9" at -325.721,51.853 h0.13 r180; PIN_NUMBER "B8" at -324.921,55.053 h0.13 r180; PIN_NUMBER "C7" at -324.121,54.253 h0.13 r180; PIN_NUMBER "T8" at -324.921,43.852 h0.13 r180; PIN_NUMBER "K8" at -324.921,48.652 h0.13 r180; PIN_NUMBER "R8" at -324.921,44.652 h0.13 r180; PIN_NUMBER "K3" at -320.92,48.652 h0.13 r180; PIN_NUMBER "M7" at -324.121,47.052 h0.13 r180; PIN_NUMBER "K7" at -324.121,48.652 h0.13 r180; PIN_NUMBER "B1" at -319.32,55.053 h0.13 r180; PIN_NUMBER "R9" at -325.721,44.652 h0.13 r180; PIN_NUMBER "P3" at -320.92,45.452 h0.13 r180; PIN_NUMBER "F7" at -324.121,51.853 h0.13 r180; PIN_NUMBER "H3" at -320.92,50.253 h0.13 r180; PIN_NUMBER "M2" at -320.12,47.052 h0.13 r180; PIN_NUMBER "P7" at -324.121,45.452 h0.13 r180; PIN_NUMBER "C3" at -320.92,54.253 h0.13 r180; PIN_NUMBER "R2" at -320.12,44.652 h0.13 r180; PIN_NUMBER "K2" at -320.12,48.652 h0.13 r180; PIN_NUMBER "D3" at -320.92,53.453 h0.13 r180; PIN_NUMBER "F3" at -320.92,51.853 h0.13 r180; PIN_NUMBER "T2" at -320.12,43.852 h0.13 r180; PIN_NUMBER "J7" at -324.121,49.453 h0.13 r180; PIN_NUMBER "H7" at -324.121,50.253 h0.13 r180; PIN_NUMBER "H2" at -320.12,50.253 h0.13 r180; PIN_NUMBER "T7" at -324.121,43.852 h0.13 r180; PIN_NUMBER "C8" at -324.921,54.253 h0.13 r180; PIN_NUMBER "E7" at -324.121,52.653 h0.13 r180; PIN_NUMBER "J3" at -320.92,49.453 h0.13 r180; PIN_NUMBER "M3" at -320.92,47.052 h0.13 r180; PIN_NUMBER "P9" at -325.721,45.452 h0.13 r180; PIN_NUMBER "A3" at -320.92,55.853 h0.13 r180; PIN_NUMBER "L7" at -324.121,47.852 h0.13 r180; PIN_NUMBER "R7" at -324.121,44.652 h0.13 r180; PIN_NUMBER "M8" at -324.921,47.052 h0.13 r180; PIN_NUMBER "E1" at -319.32,52.653 h0.13 r180; PIN_NUMBER "H9" at -325.721,50.253 h0.13 r180; PIN_NUMBER "H1" at -319.32,50.253 h0.13 r180; PIN_NUMBER "F1" at -319.32,51.853 h0.13 r180; PIN_NUMBER "E8" at -324.921,52.653 h0.13 r180; PIN_NUMBER "E3" at -320.92,52.653 h0.13 r180; PIN_NUMBER "D8" at -324.921,53.453 h0.13 r180; PIN_NUMBER "D2" at -320.12,53.453 h0.13 r180; PIN_NUMBER "C9" at -325.721,54.253 h0.13 r180; PIN_NUMBER "A8" at -324.921,55.853 h0.13 r180; PIN_NUMBER "A2" at -320.12,55.853 h0.13 r180; PIN_NUMBER "T1" at -319.32,43.852 h0.13 r180; PIN_NUMBER "N1" at -319.32,46.252 h0.13 r180; PIN_NUMBER "M9" at -325.721,47.052 h0.13 r180; PIN_NUMBER "K9" at -325.721,48.652 h0.13 r180; PIN_NUMBER "K1" at -319.32,48.652 h0.13 r180; PIN_NUMBER "G8" at -324.921,51.053 h0.13 r180; PIN_NUMBER "E9" at -325.721,52.653 h0.13 r180; PIN_NUMBER "B2" at -320.12,55.053 h0.13 r180; PIN_NUMBER "L3" at -320.92,47.852 h0.13 r180; PIN_NUMBER "G2" at -320.12,51.053 h0.13 r180; PIN_NUMBER "G3" at -320.92,51.053 h0.13 r180; PIN_NUMBER "E2" at -320.12,52.653 h0.13 r180; PIN_NUMBER "P1" at -319.32,45.452 h0.13 r180; PIN_NUMBER "A7" at -324.121,55.853 h0.13 r180; PIN_NUMBER "P2" at -320.12,45.452 h0.13 r180; ASSEMBLY_TOP "16Gbit" at -321.428,51.021 h0.64 r180; ASSEMBLY_TOP "1" at -320.006,41.693 h0.64 r90; ASSEMBLY_TOP "3" at -321.606,41.693 h0.64 r90; ASSEMBLY_TOP "7" at -324.807,41.693 h0.64 r90; ASSEMBLY_TOP "9" at -326.407,41.693 h0.64 r90; ASSEMBLY_TOP "J" at -328.566,48.932 h0.64 r180; ASSEMBLY_TOP "L" at -328.566,47.332 h0.64 r180; ASSEMBLY_TOP "N" at -328.566,45.731 h0.64 r180; ASSEMBLY_TOP "A" at -328.566,55.333 h0.64 r180; ASSEMBLY_TOP "C" at -328.566,53.732 h0.64 r180; ASSEMBLY_TOP "E" at -328.566,52.132 h0.64 r180; ASSEMBLY_TOP "G" at -328.566,50.532 h0.64 r180; ASSEMBLY_TOP "R" at -328.566,44.131 h0.64 r180
U3: PIN_NUMBER "E9" at -317.855,64.975 h0.2; PIN_NUMBER "E10" at -317.437,64.975 h0.2; PIN_NUMBER "F10" at -317.437,65.475 h0.2; PIN_NUMBER "K10" at -317.437,67.475 h0.2; PIN_NUMBER "A1" at -321.855,62.975 h0.2; PIN_NUMBER "A14" at -315.437,62.975 h0.2; PIN_NUMBER "N8" at -318.355,68.975 h0.2; PIN_NUMBER "N9" at -317.855,68.975 h0.2; PIN_NUMBER "N10" at -317.437,68.975 h0.2; PIN_NUMBER "N11" at -316.937,68.975 h0.2; PIN_NUMBER "N12" at -316.437,68.975 h0.2; PIN_NUMBER "N13" at -315.937,68.975 h0.2; PIN_NUMBER "N14" at -315.437,68.975 h0.2; PIN_NUMBER "P1" at -321.855,69.475 h0.2; PIN_NUMBER "P2" at -321.355,69.475 h0.2; PIN_NUMBER "P7" at -318.855,69.475 h0.2; PIN_NUMBER "B1" at -321.855,63.475 h0.2; PIN_NUMBER "P8" at -318.355,69.475 h0.2; PIN_NUMBER "P9" at -317.855,69.475 h0.2; PIN_NUMBER "P10" at -317.437,69.475 h0.2; PIN_NUMBER "P11" at -316.937,69.475 h0.2; PIN_NUMBER "P12" at -316.437,69.475 h0.2; PIN_NUMBER "P13" at -315.937,69.475 h0.2; PIN_NUMBER "P14" at -315.437,69.475 h0.2; PIN_NUMBER "B7" at -318.855,63.475 h0.2; PIN_NUMBER "B8" at -318.355,63.475 h0.2; PIN_NUMBER "B9" at -317.855,63.475 h0.2; PIN_NUMBER "B10" at -317.437,63.475 h0.2; PIN_NUMBER "B11" at -316.937,63.475 h0.2; PIN_NUMBER "B12" at -316.437,63.475 h0.2; PIN_NUMBER "B13" at -315.937,63.475 h0.2; PIN_NUMBER "B14" at -315.437,63.475 h0.2; PIN_NUMBER "A2" at -321.355,62.975 h0.2; PIN_NUMBER "C1" at -321.855,63.975 h0.2; PIN_NUMBER "C3" at -320.855,63.975 h0.2; PIN_NUMBER "C5" at -319.855,63.975 h0.2; PIN_NUMBER "C7" at -318.855,63.975 h0.2; PIN_NUMBER "C8" at -318.355,63.975 h0.2; PIN_NUMBER "C9" at -317.855,63.975 h0.2; PIN_NUMBER "C10" at -317.437,63.975 h0.2; PIN_NUMBER "C11" at -316.937,63.975 h0.2; PIN_NUMBER "C12" at -316.437,63.975 h0.2; PIN_NUMBER "C13" at -315.937,63.975 h0.2; PIN_NUMBER "A7" at -318.855,62.975 h0.2; PIN_NUMBER "C14" at -315.437,63.975 h0.2; PIN_NUMBER "D1" at -321.855,64.475 h0.2; PIN_NUMBER "D2" at -321.355,64.475 h0.2; PIN_NUMBER "D3" at -320.855,64.475 h0.2; PIN_NUMBER "D4" at -320.355,64.475 h0.2; PIN_NUMBER "D12" at -316.437,64.475 h0.2; PIN_NUMBER "D13" at -315.937,64.475 h0.2; PIN_NUMBER "D14" at -315.437,64.475 h0.2; PIN_NUMBER "E1" at -321.855,64.975 h0.2; PIN_NUMBER "E2" at -321.355,64.975 h0.2; PIN_NUMBER "A8" at -318.355,62.975 h0.2; PIN_NUMBER "E3" at -320.855,64.975 h0.2; PIN_NUMBER "E5" at -319.855,64.975 h0.2; PIN_NUMBER "E8" at -318.355,64.975 h0.2; PIN_NUMBER "E12" at -316.437,64.975 h0.2; PIN_NUMBER "E13" at -315.937,64.975 h0.2; PIN_NUMBER "E14" at -315.437,64.975 h0.2; PIN_NUMBER "F1" at -321.855,65.475 h0.2; PIN_NUMBER "F2" at -321.355,65.475 h0.2; PIN_NUMBER "F3" at -320.855,65.475 h0.2; PIN_NUMBER "F12" at -316.437,65.475 h0.2; PIN_NUMBER "A9" at -317.855,62.975 h0.2; PIN_NUMBER "F13" at -315.937,65.475 h0.2; PIN_NUMBER "F14" at -315.437,65.475 h0.2; PIN_NUMBER "G1" at -321.855,65.975 h0.2; PIN_NUMBER "G2" at -321.355,65.975 h0.2; PIN_NUMBER "G3" at -320.855,65.975 h0.2; PIN_NUMBER "G10" at -317.437,65.975 h0.2; PIN_NUMBER "G12" at -316.437,65.975 h0.2; PIN_NUMBER "G13" at -315.937,65.975 h0.2; PIN_NUMBER "G14" at -315.437,65.975 h0.2; PIN_NUMBER "H1" at -321.855,66.475 h0.2; PIN_NUMBER "A10" at -317.437,62.975 h0.2; PIN_NUMBER "H2" at -321.355,66.475 h0.2; PIN_NUMBER "H3" at -320.855,66.475 h0.2; PIN_NUMBER "H12" at -316.437,66.475 h0.2; PIN_NUMBER "H13" at -315.937,66.475 h0.2; PIN_NUMBER "H14" at -315.437,66.475 h0.2; PIN_NUMBER "J1" at -321.855,66.975 h0.2; PIN_NUMBER "J2" at -321.355,66.975 h0.2; PIN_NUMBER "J3" at -320.855,66.975 h0.2; PIN_NUMBER "J12" at -316.437,66.975 h0.2; PIN_NUMBER "J13" at -315.937,66.975 h0.2; PIN_NUMBER "A11" at -316.937,62.975 h0.2; PIN_NUMBER "J14" at -315.437,66.975 h0.2; PIN_NUMBER "K1" at -321.855,67.475 h0.2; PIN_NUMBER "K2" at -321.355,67.475 h0.2; PIN_NUMBER "K3" at -320.855,67.475 h0.2; PIN_NUMBER "K6" at -319.355,67.475 h0.2; PIN_NUMBER "K7" at -318.855,67.475 h0.2; PIN_NUMBER "K12" at -316.437,67.475 h0.2; PIN_NUMBER "K13" at -315.937,67.475 h0.2; PIN_NUMBER "K14" at -315.437,67.475 h0.2; PIN_NUMBER "L1" at -321.855,67.975 h0.2; PIN_NUMBER "A12" at -316.437,62.975 h0.2; PIN_NUMBER "L2" at -321.355,67.975 h0.2; PIN_NUMBER "L3" at -320.855,67.975 h0.2; PIN_NUMBER "L12" at -316.437,67.975 h0.2; PIN_NUMBER "L13" at -315.937,67.975 h0.2; PIN_NUMBER "L14" at -315.437,67.975 h0.2; PIN_NUMBER "M1" at -321.855,68.475 h0.2; PIN_NUMBER "M2" at -321.355,68.475 h0.2; PIN_NUMBER "M3" at -320.855,68.475 h0.2; PIN_NUMBER "M7" at -318.855,68.475 h0.2; PIN_NUMBER "M8" at -318.355,68.475 h0.2; PIN_NUMBER "A13" at -315.937,62.975 h0.2; PIN_NUMBER "M9" at -317.855,68.475 h0.2; PIN_NUMBER "M10" at -317.437,68.475 h0.2; PIN_NUMBER "M11" at -316.937,68.475 h0.2; PIN_NUMBER "M12" at -316.437,68.475 h0.2; PIN_NUMBER "M13" at -315.937,68.475 h0.2; PIN_NUMBER "M14" at -315.437,68.475 h0.2; PIN_NUMBER "N1" at -321.855,68.975 h0.2; PIN_NUMBER "N3" at -320.855,68.975 h0.2; PIN_NUMBER "N6" at -319.355,68.975 h0.2; PIN_NUMBER "N7" at -318.855,68.975 h0.2; PIN_NUMBER "A3" at -320.855,62.975 h0.2; PIN_NUMBER "A4" at -320.355,62.975 h0.2; PIN_NUMBER "A5" at -319.855,62.975 h0.2; PIN_NUMBER "B2" at -321.355,63.475 h0.2; PIN_NUMBER "B3" at -320.855,63.475 h0.2; PIN_NUMBER "B4" at -320.355,63.475 h0.2; PIN_NUMBER "F5" at -319.855,65.475 h0.2; PIN_NUMBER "E6" at -319.355,64.975 h0.2; PIN_NUMBER "J10" at -317.437,66.975 h0.2; PIN_NUMBER "K9" at -317.855,67.475 h0.2; PIN_NUMBER "B5" at -319.855,63.475 h0.2; PIN_NUMBER "B6" at -319.355,63.475 h0.2; PIN_NUMBER "M6" at -319.355,68.475 h0.2; PIN_NUMBER "C6" at -319.355,63.975 h0.2; PIN_NUMBER "P3" at -320.855,69.475 h0.2; PIN_NUMBER "P5" at -319.855,69.475 h0.2; PIN_NUMBER "N4" at -320.355,68.975 h0.2; PIN_NUMBER "M4" at -320.355,68.475 h0.2; PIN_NUMBER "M5" at -319.855,68.475 h0.2; PIN_NUMBER "A6" at -319.355,62.975 h0.2; PIN_NUMBER "G5" at -319.855,65.975 h0.2; PIN_NUMBER "J5" at -319.855,66.975 h0.2; PIN_NUMBER "C4" at -320.355,63.975 h0.2; PIN_NUMBER "E7" at -318.855,64.975 h0.2; PIN_NUMBER "K8" at -318.355,67.475 h0.2; PIN_NUMBER "H10" at -317.437,66.475 h0.2; PIN_NUMBER "N2" at -321.355,68.975 h0.2; PIN_NUMBER "N5" at -319.855,68.975 h0.2; PIN_NUMBER "P4" at -320.355,69.475 h0.2; PIN_NUMBER "P6" at -319.355,69.475 h0.2; PIN_NUMBER "C2" at -321.355,63.975 h0.2; PIN_NUMBER "K5" at -319.855,67.475 h0.2; PIN_NUMBER "H5" at -319.855,66.475 h0.2; ASSEMBLY_TOP "EMMC16G-TB29-PZ90" at -318.57,62.288 h0.64; ASSEMBLY_TOP "14" at -315.903,59.494 h0.64; ASSEMBLY_TOP "1" at -322.126,59.494 h0.64; ASSEMBLY_TOP "P" at -324.92,70.035 h0.64; ASSEMBLY_TOP "A" at -324.92,63.304 h0.64; Bottom Overlay "1" at -321.985,59.488 h0.64; Bottom Overlay "14" at -315.879,59.488 h0.64; Bottom Overlay "A" at -324.985,63.238 h0.64; Bottom Overlay "P" at -324.985,69.988 h0.64
U4: PIN_NUMBER "4" at -326.689,8.574 h0.64 r90; PIN_NUMBER "6" at -326.689,9.874 h0.64 r90; PIN_NUMBER "5" at -326.689,9.224 h0.64 r90; PIN_NUMBER "7" at -327.689,9.224 h0.64; PIN_NUMBER "2" at -328.689,9.224 h0.64 r90; PIN_NUMBER "1" at -328.689,9.874 h0.64 r90; PIN_NUMBER "3" at -328.689,8.574 h0.64 r90; ASSEMBLY_TOP "TVS0500DRVR" at -327.689,9.351 h0.64